# KiCad board coils_12_35_10_2_layer.kicad_pcb (continued)
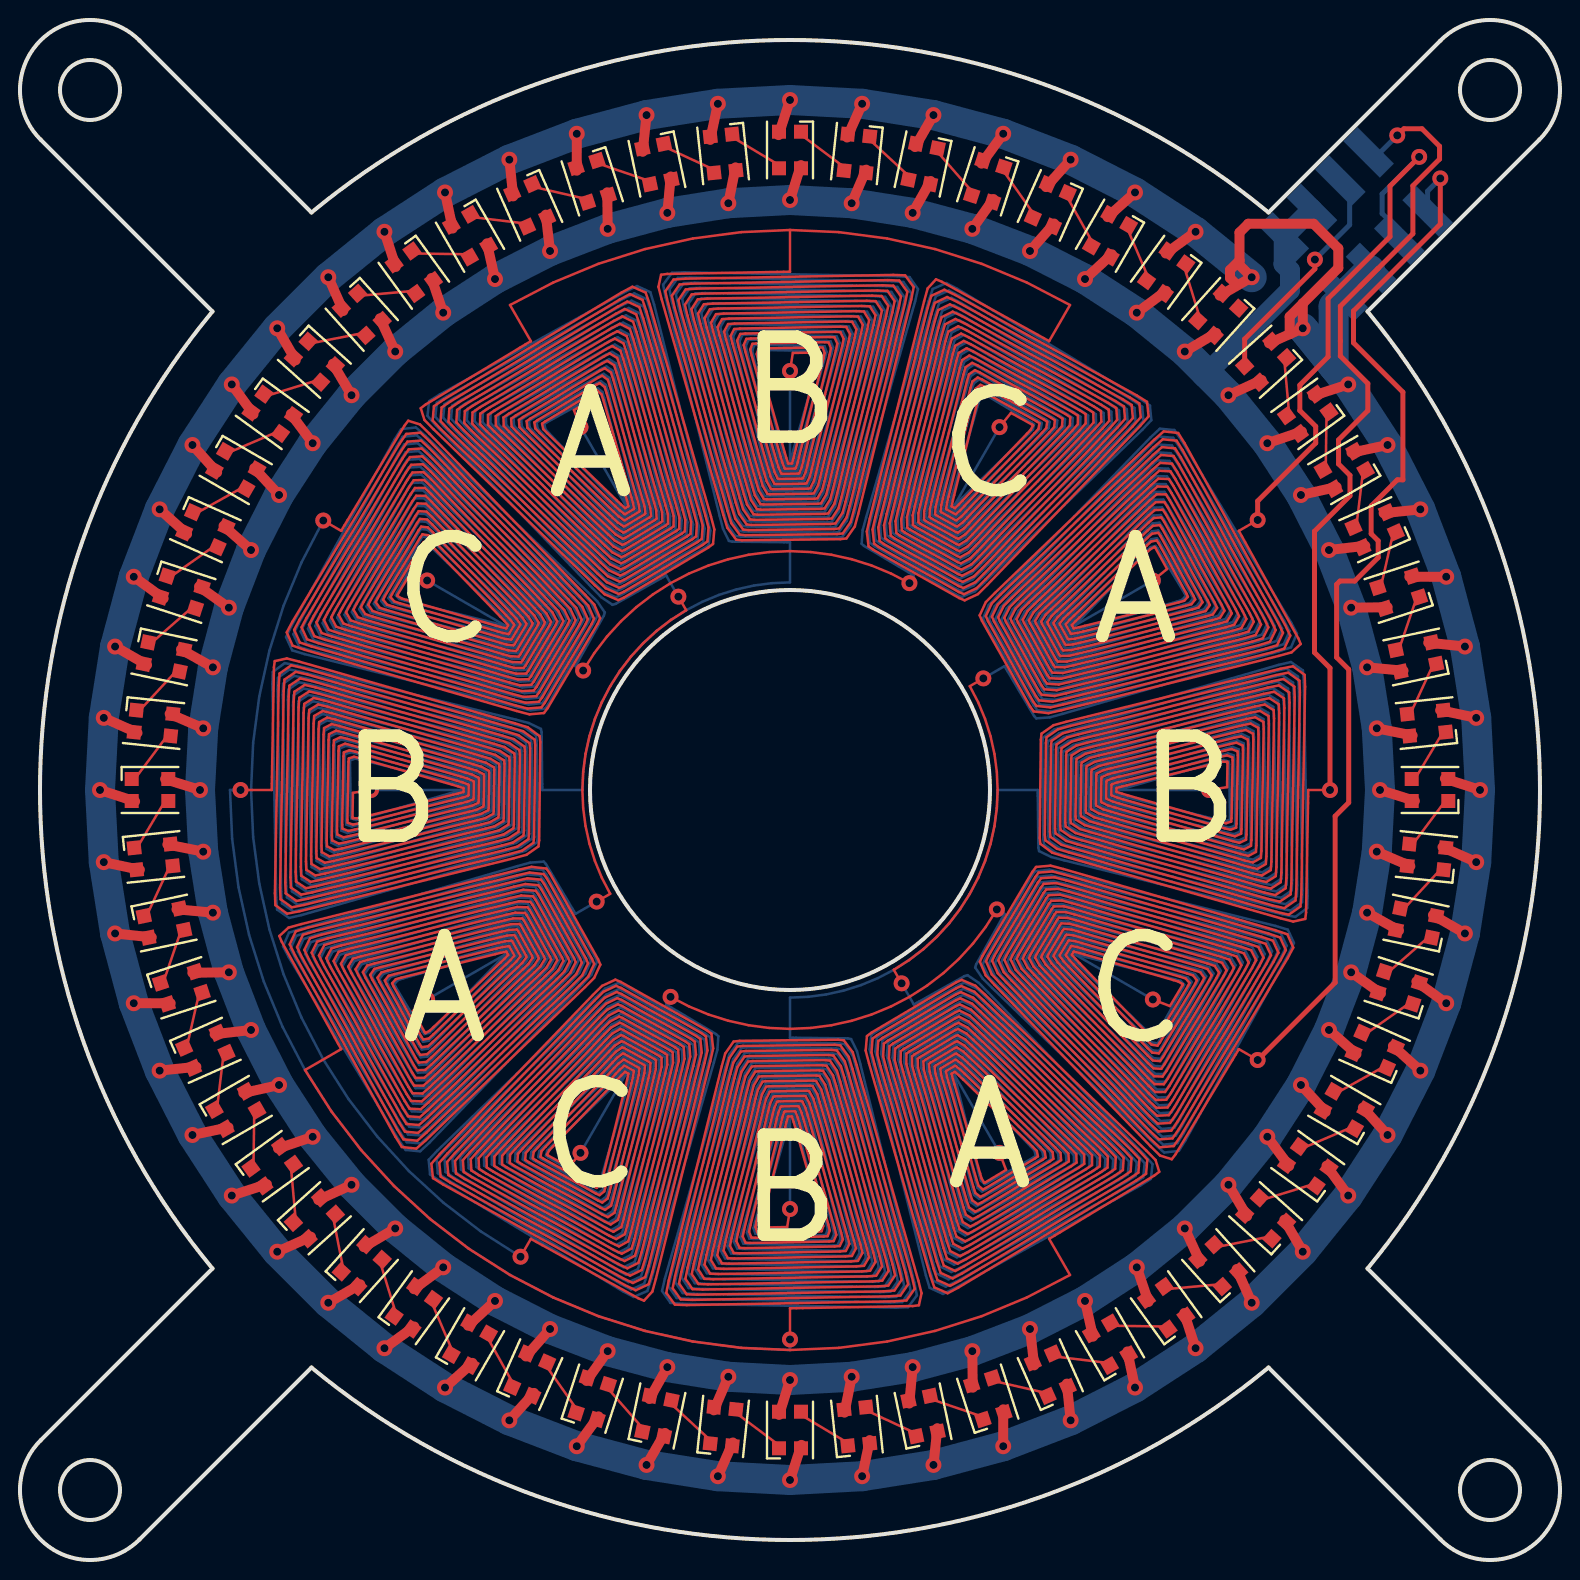
[diagram p0: board, top side]
## Routing (per net, layer and track width the routed paths; a pad name or vN(x,y) marks a point on that pad's centre or on a via; arc(x,y) is an arc through that point) (continued)
57.79,22.27 57.5,21.85 56.88,21.82 56.48,22.2 49.87,29.04 49.49,29.45 49.22,30 49.31,30.21 51.17,33.35 51.31,33.52 51.91,33.55 52.44,33.41 61.41,30.83 61.92,30.65 62.18,30.12 61.96,29.69 57.71,22.63 57.44,22.24 56.85,22.21 56.47,22.57 50.15,29.11 49.79,29.5 49.53,30.02 49.61,30.21 51.31,33.08 51.44,33.24 52.01,33.26 52.51,33.13 61.07,30.66 61.55,30.49 61.81,29.99 61.6,29.6 57.63,23 57.38,22.63 56.82,22.61 56.46,22.95 50.43,29.18 50.08,29.56 49.84,30.05 49.91,30.22 51.45,32.81 51.56,32.96 52.1,32.97 52.58,32.84 60.73,30.49 61.19,30.34 61.44,29.86 61.25,29.5 57.55,23.36 57.32,23.01 56.79,23 56.45,23.33 50.72,29.26 50.38,29.61 50.14,30.07 50.21,30.22 51.58,32.55 51.69,32.68 52.19,32.68 52.65,32.56 60.39,30.33 60.83,30.18 61.07,29.74 60.89,29.4 57.47,23.72 57.25,23.4 56.76,23.4 56.43,23.71 51,29.33 50.68,29.66 50.45,30.09 50.5,30.23 51.72,32.28 51.82,32.4 52.29,32.39 52.72,32.27 60.05,30.16 60.47,30.02 60.7,29.61 60.54,29.3 57.39,24.08 57.19,23.79 56.73,23.79 56.42,24.09 51.28,29.4 50.98,29.72 50.76,30.11 50.8,30.23 51.86,32.01 51.94,32.11 52.38,32.1 52.79,31.99 59.71,29.99 60.1,29.86 60.33,29.49 60.18,29.2 57.31,24.44 57.13,24.17 56.7,24.19 56.41,24.47 51.56,29.47 51.28,29.77 51.06,30.13 51.1,30.24 52,31.75 52.07,31.83 52.48,31.81 52.86,31.71 59.37,29.83 59.74,29.7 59.96,29.36 59.82,29.1 57.23,24.8 57.07,24.56 56.67,24.58 56.4,24.84 51.85,29.55 51.58,29.83 51.37,30.16 51.4,30.24 52.13,31.48 52.19,31.55 52.57,31.52 52.93,31.42 59.03,29.66 59.38,29.55 59.59,29.24 59.47,29 57.15,25.16 57,24.94 56.64,24.98 56.38,25.22 52.13,29.62 51.88,29.88 51.68,30.18 51.7,30.25 52.27,31.21 52.32,31.27 52.67,31.23 53,31.14 58.69,29.5 59.01,29.39 59.22,29.11 59.11,28.91 57.07,25.52 56.94,25.33 56.61,25.37 56.37,25.6 52.41,29.69 52.18,29.94 51.98,30.2 52,30.25 52.41,30.95 52.45,30.98 52.76,30.94 53.07,30.85 58.35,29.33 58.65,29.23 58.84,28.98 58.76,28.81 56.99,25.88 56.88,25.72 56.58,25.77 56.36,25.98 52.69,29.77 52.48,29.99 52.29,30.22 52.29,30.26 52.54,30.68 52.57,30.7 52.86,30.65 53.14,30.57 58.01,29.16 58.29,29.07 58.47,28.86 58.4,28.71 56.91,26.24 56.82,26.1 56.55,26.16 56.34,26.36 52.98,29.84 52.78,30.04 52.6,30.25 52.59,30.27 52.68,30.42 52.7,30.42 52.95,30.36 53.21,30.28 57.67,29 57.92,28.92 58.14,28.79 58.12,28.73 57.5,27.7 v1(56.64,28.03) ; v1(38.5,17.55) 38.36,16.65 37.16,16.63 37.09,16.64 37.09,16.89 37.15,17.15 38.26,21.65 38.33,21.91 38.4,22.16 38.41,22.18 38.59,22.18 38.6,22.16 38.68,21.91 38.76,21.63 40.09,16.97 40.16,16.7 40.08,16.44 39.91,16.42 37.03,16.37 36.86,16.38 36.77,16.65 36.83,16.94 38.05,21.85 38.12,22.14 38.22,22.41 38.25,22.43 38.74,22.43 38.77,22.42 38.88,22.14 38.97,21.84 40.42,16.77 40.49,16.48 40.38,16.19 40.18,16.17 36.77,16.11 36.57,16.12 36.45,16.42 36.52,16.73 37.84,22.05 37.92,22.37 38.03,22.66 38.09,22.68 38.89,22.69 38.94,22.67 39.08,22.37 39.17,22.05 40.74,16.57 40.82,16.25 40.68,15.94 40.46,15.92 36.5,15.85 36.27,15.87 36.13,16.18 36.2,16.52 37.63,22.26 37.71,22.59 37.85,22.91 37.92,22.93 39.05,22.95 39.12,22.93 39.27,22.6 39.38,22.26 41.06,16.37 41.14,16.03 40.99,15.7 40.73,15.67 36.24,15.59 35.98,15.61 35.82,15.94 35.89,16.31 37.41,22.46 37.51,22.82 37.67,23.16 37.76,23.18 39.2,23.2 39.29,23.18 39.47,22.83 39.58,22.47 41.38,16.17 41.47,15.8 41.29,15.45 41,15.43 35.98,15.33 35.69,15.35 35.5,15.71 35.58,16.09 37.2,22.66 37.3,23.05 37.49,23.42 37.6,23.44 39.35,23.46 39.46,23.44 39.67,23.07 39.78,22.67 41.7,15.97 41.8,15.58 41.59,15.2 41.27,15.18 35.71,15.08 35.39,15.09 35.18,15.47 35.26,15.88 36.99,22.87 37.1,23.28 37.31,23.67 37.44,23.69 39.51,23.71 39.64,23.69 39.86,23.3 39.99,22.88 42.02,15.77 42.12,15.36 41.9,14.96 41.55,14.93 35.45,14.82 35.1,14.83 34.86,15.24 34.95,15.67 36.78,23.07 36.9,23.5 37.13,23.92 37.28,23.94 39.66,23.97 39.81,23.95 40.06,23.53 40.19,23.09 42.34,15.57 42.45,15.13 42.2,14.71 41.82,14.68 35.19,14.56 34.8,14.57 34.54,15 34.64,15.46 36.57,23.27 36.69,23.73 36.95,24.17 37.11,24.19 39.82,24.22 39.98,24.2 40.26,23.76 40.4,23.3 42.66,15.37 42.78,14.91 42.5,14.46 42.09,14.43 34.92,14.3 34.51,14.32 34.22,14.77 34.32,15.25 36.36,23.48 36.49,23.96 36.77,24.42 36.95,24.45 39.97,24.48 40.15,24.46 40.45,24 40.6,23.51 42.99,15.17 43.1,14.68 42.81,14.21 42.36,14.18 34.66,14.04 34.21,14.06 33.91,14.53 34.01,15.04 36.15,23.68 36.28,24.19 36.59,24.67 36.79,24.7 40.12,24.74 40.33,24.71 40.65,24.23 40.81,23.72 43.31,14.97 43.43,14.46 43.11,13.97 42.63,13.93 34.4,13.78 33.92,13.8 33.59,14.3 33.69,14.83 35.93,23.88 36.08,24.41 36.4,24.92 36.63,24.95 40.28,24.99 40.5,24.97 40.85,24.46 41.01,23.92 43.63,14.77 43.76,14.24 43.41,13.72 42.91,13.68 34.13,13.52 33.63,13.54 33.27,14.06 33.38,14.61 35.72,24.09 35.87,24.64 36.22,25.17 36.46,25.2 40.43,25.25 40.67,25.22 41.04,24.69 41.22,24.13 43.95,14.57 44.08,14.01 43.72,13.47 43.18,13.43 33.87,13.26 33.33,13.28 32.95,13.82 33.07,14.4 35.51,24.29 35.67,24.87 36.04,25.42 36.3,25.45 40.58,25.5 40.84,25.48 41.24,24.92 41.42,24.34 44.27,14.37 44.41,13.79 44.02,13.23 43.45,13.18 33.61,13.01 33.04,13.03 32.63,13.59 32.75,14.19 35.3,24.49 35.46,25.1 35.86,25.67 36.14,25.71 40.74,25.76 41.02,25.73 41.44,25.16 41.63,24.55 44.59,14.17 44.73,13.56 44.32,12.98 43.72,12.93 33.34,12.75 32.74,12.77 32.31,13.35 32.44,13.98 35.09,24.69 35.26,25.32 35.68,25.92 35.98,25.96 40.89,26.01 41.19,25.98 41.63,25.39 41.83,24.76 44.91,13.97 45.08,13.34 44.94,12.74 44.63,12.7 38.5,12.59 v1(38.5,11.03) ; v1(48.17,44.08) 47.49,43.69 47.91,42.89 48.25,42.05 48.53,41.19 48.72,40.3 48.84,39.4 48.88,38.5 48.84,37.6 48.72,36.7 48.53,35.81 48.25,34.95 47.91,34.11 47.49,33.31 47,32.55 46.45,31.83 45.84,31.16 45.17,30.55 44.45,30 43.69,29.51 v1(44.08,28.83) ; v1(65.5,38.5) 64.41,38.5 64.3,32.37 64.26,32.06 63.66,31.92 63.03,32.09 52.24,35.17 51.61,35.37 51.02,35.81 50.99,36.11 51.04,41.02 51.08,41.32 51.68,41.74 52.31,41.91 63.02,44.56 63.65,44.69 64.23,44.26 64.25,43.66 64.07,33.28 64.02,32.68 63.44,32.27 62.83,32.41 52.45,35.37 51.84,35.56 51.27,35.98 51.24,36.26 51.29,40.86 51.33,41.14 51.9,41.54 52.51,41.7 62.81,44.25 63.41,44.37 63.97,43.96 63.99,43.39 63.82,33.55 63.77,32.98 63.21,32.59 62.63,32.73 52.66,35.58 52.08,35.76 51.52,36.16 51.5,36.42 51.55,40.7 51.58,40.96 52.13,41.33 52.71,41.49 62.6,43.93 63.18,44.05 63.72,43.67 63.74,43.13 63.57,33.82 63.53,33.28 62.99,32.92 62.43,33.05 52.87,35.78 52.31,35.96 51.78,36.33 51.75,36.57 51.8,40.54 51.83,40.78 52.36,41.13 52.91,41.28 62.39,43.62 62.94,43.73 63.46,43.37 63.48,42.87 63.32,34.09 63.28,33.59 62.76,33.24 62.23,33.37 53.08,35.99 52.54,36.15 52.03,36.5 52.01,36.72 52.05,40.37 52.08,40.6 52.59,40.92 53.12,41.07 62.17,43.31 62.7,43.41 63.2,43.08 63.22,42.6 63.07,34.37 63.03,33.89 62.54,33.57 62.03,33.69 53.28,36.19 52.77,36.35 52.29,36.67 52.26,36.88 52.3,40.21 52.33,40.41 52.81,40.72 53.32,40.85 61.96,42.99 62.47,43.09 62.94,42.79 62.96,42.34 62.82,34.64 62.79,34.19 62.32,33.9 61.83,34.01 53.49,36.4 53,36.55 52.54,36.85 52.52,37.03 52.55,40.05 52.58,40.23 53.04,40.51 53.52,40.64 61.75,42.68 62.23,42.78 62.68,42.49 62.7,42.08 62.57,34.91 62.54,34.5 62.09,34.22 61.63,34.34 53.7,36.6 53.24,36.74 52.8,37.02 52.78,37.18 52.81,39.89 52.83,40.05 53.27,40.31 53.73,40.43 61.54,42.36 62,42.46 62.43,42.2 62.44,41.81 62.32,35.18 62.29,34.8 61.87,34.55 61.43,34.66 53.91,36.81 53.47,36.94 53.05,37.19 53.03,37.34 53.06,39.72 53.08,39.87 53.5,40.1 53.93,40.22 61.33,42.05 61.76,42.14 62.17,41.9 62.18,41.55 62.07,35.45 62.04,35.1 61.64,34.88 61.23,34.98 54.12,37.01 53.7,37.14 53.31,37.36 53.29,37.49 53.31,39.56 53.33,39.69 53.72,39.9 54.13,40.01 61.12,41.74 61.53,41.82 61.91,41.61 61.92,41.29 61.82,35.73 61.8,35.41 61.42,35.2 61.03,35.3 54.33,37.22 53.93,37.33 53.56,37.54 53.54,37.65 53.56,39.4 53.58,39.51 53.95,39.7 54.34,39.8 60.91,41.42 61.29,41.5 61.65,41.31 61.67,41.02 61.57,36 61.55,35.71 61.2,35.53 60.83,35.62 54.53,37.42 54.17,37.53 53.82,37.71 53.8,37.8 53.82,39.24 53.84,39.33 54.18,39.49 54.54,39.59 60.69,41.11 61.06,41.18 61.39,41.02 61.41,40.76 61.33,36.27 61.3,36.01 60.97,35.86 60.63,35.94 54.74,37.62 54.4,37.73 54.07,37.88 54.05,37.95 54.07,39.08 54.09,39.15 54.41,39.29 54.74,39.37 60.48,40.8 60.82,40.87 61.13,40.73 61.15,40.5 61.08,36.54 61.06,36.32 60.75,36.18 60.43,36.26 54.95,37.83 54.63,37.92 54.33,38.06 54.31,38.11 54.32,38.91 54.34,38.97 54.63,39.08 54.95,39.16 60.27,40.48 60.58,40.55 60.88,40.43 60.89,40.23 60.83,36.82 60.81,36.62 60.52,36.51 60.23,36.58 55.16,38.03 54.86,38.12 54.58,38.23 54.57,38.26 54.57,38.75 54.59,38.78 54.86,38.88 55.15,38.95 60.06,40.17 60.35,40.23 60.62,40.14 60.63,39.97 60.58,37.09 60.56,36.92 60.3,36.84 60.03,36.91 55.37,38.24 55.09,38.32 54.84,38.4 54.82,38.41 54.82,38.59 54.84,38.6 55.09,38.67 55.35,38.74 59.85,39.85 60.11,39.91 60.36,39.91 60.37,39.84 60.35,38.64 v1(59.45,38.5) ; v1(17.55,38.5) 16.65,38.36 16.63,37.16 16.64,37.09 16.89,37.09 17.15,37.15 21.65,38.26 21.91,38.33 22.16,38.4 22.18,38.41 22.18,38.59 22.16,38.6 21.91,38.68 21.63,38.76 16.97,40.09 16.7,40.16 16.44,40.08 16.42,39.91 16.37,37.03 16.38,36.86 16.65,36.77 16.94,36.83 21.85,38.05 22.14,38.12 22.41,38.22 22.43,38.25 22.43,38.74 22.42,38.77 22.14,38.88 21.84,38.97 16.77,40.42 16.48,40.49 16.19,40.38 16.17,40.18 16.11,36.77 16.12,36.57 16.42,36.45 16.73,36.52 22.05,37.84 22.37,37.92 22.66,38.03 22.68,38.09 22.69,38.89 22.67,38.94 22.37,39.08 22.05,39.17 16.57,40.74 16.25,40.82 15.94,40.68 15.92,40.46 15.85,36.5 15.87,36.27 16.18,36.13 16.52,36.2 22.26,37.63 22.59,37.71 22.91,37.85 22.93,37.92 22.95,39.05 22.93,39.12 22.6,39.27 22.26,39.38 16.37,41.06 16.03,41.14 15.7,40.99 15.67,40.73 15.59,36.24 15.61,35.98 15.94,35.82 16.31,35.89 22.46,37.41 22.82,37.51 23.16,37.67 23.18,37.76 23.2,39.2 23.18,39.29 22.83,39.47 22.47,39.58 16.17,41.38 15.8,41.47 15.45,41.29 15.43,41 15.33,35.98 15.35,35.69 15.71,35.5 16.09,35.58 22.66,37.2 23.05,37.3 23.42,37.49 23.44,37.6 23.46,39.35 23.44,39.46 23.07,39.67 22.67,39.78 15.97,41.7 15.58,41.8 15.2,41.59 15.18,41.27 15.08,35.71 15.09,35.39 15.47,35.18 15.88,35.26 22.87,36.99 23.28,37.1 23.67,37.31 23.69,37.44 23.71,39.51 23.69,39.64 23.3,39.86 22.88,39.99 15.77,42.02 15.36,42.12 14.96,41.9 14.93,41.55 14.82,35.45 14.83,35.1 15.24,34.86 15.67,34.95 23.07,36.78 23.5,36.9 23.92,37.13 23.94,37.28 23.97,39.66 23.95,39.81 23.53,40.06 23.09,40.19 15.57,42.34 15.13,42.45 14.71,42.2 14.68,41.82 14.56,35.19 14.57,34.8 15,34.54 15.46,34.64 23.27,36.57 23.73,36.69 24.17,36.95 24.19,37.11 24.22,39.82 24.2,39.98 23.76,40.26 23.3,40.4 15.37,42.66 14.91,42.78 14.46,42.5 14.43,42.09 14.3,34.92 14.32,34.51 14.77,34.22 15.25,34.32 23.48,36.36 23.96,36.49 24.42,36.77 24.45,36.95 24.48,39.97 24.46,40.15 24,40.45 23.51,40.6 15.17,42.99 14.68,43.1 14.21,42.81 14.18,42.36 14.04,34.66 14.06,34.21 14.53,33.91 15.04,34.01 23.68,36.15 24.19,36.28 24.67,36.59 24.7,36.79 24.74,40.12 24.71,40.33 24.23,40.65 23.72,40.81 14.97,43.31 14.46,43.43 13.97,43.11 13.93,42.63 13.78,34.4 13.8,33.92 14.3,33.59 14.83,33.69 23.88,35.93 24.41,36.08 24.92,36.4 24.95,36.63 24.99,40.28 24.97,40.5 24.46,40.85 23.92,41.01 14.77,43.63 14.24,43.76 13.72,43.41 13.68,42.91 13.52,34.13 13.54,33.63 14.06,33.27 14.61,33.38 24.09,35.72 24.64,35.87 25.17,36.22 25.2,36.46 25.25,40.43 25.22,40.67 24.69,41.04 24.13,41.22 14.57,43.95 14.01,44.08 13.47,43.72 13.43,43.18 13.26,33.87 13.28,33.33 13.82,32.95 14.4,33.07 24.29,35.51 24.87,35.67 25.42,36.04 25.45,36.3 25.5,40.58 25.48,40.84 24.92,41.24 24.34,41.42 14.37,44.27 13.79,44.41 13.23,44.02 13.18,43.45 13.01,33.61 13.03,33.04 13.59,32.63 14.19,32.75 24.49,35.3 25.1,35.46 25.67,35.86 25.71,36.14 25.76,40.74 25.73,41.02 25.16,41.44 24.55,41.63 14.17,44.59 13.56,44.73 12.98,44.32 12.93,43.72 12.75,33.34 12.77,32.74 13.35,32.31 13.98,32.44 24.69,35.09 25.32,35.26 25.92,35.68 25.96,35.98 26.01,40.89 25.98,41.19 25.39,41.63 24.76,41.83 13.97,44.91 13.34,45.08 12.74,44.94 12.7,44.63 12.59,38.5 v1(11.03,38.5) ; v1(48.98,20.36) 49.3,19.5 48.27,18.88 48.21,18.86 48.08,19.08 48,19.33 46.72,23.79 46.64,24.05 46.58,24.3 46.58,24.32 46.73,24.41 46.75,24.4 46.96,24.22 47.16,24.02 50.64,20.66 50.84,20.45 50.9,20.18 50.76,20.09 48.29,18.6 48.14,18.53 47.93,18.71 47.84,18.99 46.43,23.86 46.35,24.14 46.3,24.43 46.32,24.46 46.74,24.71 46.78,24.71 47.01,24.52 47.23,24.31 51.02,20.64 51.23,20.42 51.28,20.12 51.12,20.01 48.19,18.24 48.02,18.16 47.77,18.35 47.67,18.65 46.15,23.93 46.06,24.24 46.02,24.55 46.05,24.59 46.75,25 46.8,25.02 47.06,24.82 47.31,24.59 51.4,20.63 51.63,20.39 51.67,20.06 51.48,19.93 48.09,17.89 47.89,17.78 47.61,17.99 47.5,18.31 45.86,24 45.77,24.33 45.73,24.68 45.79,24.73 46.75,25.3 46.82,25.32 47.12,25.12 47.38,24.87 51.78,20.62 52.02,20.36 52.06,20 51.84,19.85 48,17.53 47.76,17.41 47.45,17.62 47.34,17.97 45.58,24.07 45.48,24.43 45.45,24.81 45.52,24.87 46.76,25.6 46.84,25.63 47.17,25.42 47.45,25.15 52.16,20.6 52.42,20.33 52.44,19.93 52.2,19.77 47.9,17.18 47.64,17.04 47.3,17.26 47.17,17.63 45.29,24.14 45.19,24.52 45.17,24.93 45.25,25 46.76,25.9 46.87,25.94 47.23,25.72 47.53,25.44 52.53,20.59 52.81,20.3 52.83,19.87 52.56,19.69 47.8,16.82 47.51,16.67 47.14,16.9 47.01,17.29 45.01,24.21 44.9,24.62 44.89,25.06 44.99,25.14 46.77,26.2 46.89,26.24 47.28,26.02 47.6,25.72 52.91,20.58 53.21,20.27 53.21,19.81 52.92,19.61 47.7,16.46 47.39,16.3 46.98,16.53 46.84,16.95 44.73,24.28 44.61,24.71 44.6,25.18 44.72,25.28 46.77,26.5 46.91,26.55 47.34,26.32 47.67,26 53.29,20.57 53.6,20.24 53.6,19.75 53.28,19.53 47.6,16.11 47.26,15.93 46.82,16.17 46.67,16.61 44.44,24.35 44.32,24.81 44.32,25.31 44.45,25.42 46.78,26.79 46.93,26.86 47.39,26.62 47.74,26.28 53.67,20.55 54,20.21 53.99,19.68 53.64,19.45 47.5,15.75 47.14,15.56 46.66,15.81 46.51,16.27 44.16,24.42 44.03,24.9 44.04,25.44 44.19,25.55 46.78,27.09 46.95,27.16 47.44,26.92 47.82,26.57 54.05,20.54 54.39,20.18 54.37,19.62 54,19.37 47.4,15.4 47.01,15.19 46.51,15.45 46.34,15.93 43.87,24.49 43.74,24.99 43.76,25.56 43.92,25.69 46.79,27.39 46.98,27.47 47.5,27.21 47.89,26.85 54.43,20.53 54.79,20.15 54.76,19.56 54.37,19.29 47.31,15.04 46.88,14.82 46.35,15.08 46.17,15.59 43.59,24.56 43.45,25.09 43.48,25.69 43.65,25.83 46.79,27.69 47,27.78 47.55,27.51 47.96,27.13 54.8,20.52 55.18,20.12 55.15,19.5 54.73,19.21 47.21,14.69 46.76,14.45 46.19,14.72 46.01,15.25 43.3,24.63 43.15,25.18 43.19,25.82 43.39,25.97 46.8,27.99 47.02,28.09 47.61,27.81 48.04,27.41 55.18,20.5 55.58,20.08 55.53,19.43 55.09,19.13 47.11,14.33 46.63,14.08 46.03,14.36 45.84,14.91 43.02,24.7 42.86,25.28 42.91,25.94 43.12,26.1 46.8,28.29 47.04,28.39 47.66,28.11 48.11,27.7 55.56,20.49 55.97,20.05 55.92,19.37 55.45,19.05 47.01,13.97 46.51,13.71 45.87,13.99 45.68,14.57 42.73,24.77 42.57,25.37 42.63,26.07 42.85,26.24 46.81,28.58 47.06,28.7 47.72,28.41 48.18,27.98 55.94,20.48 56.37,20.02 56.3,19.31 55.81,18.97 46.91,13.62 46.38,13.34 45.72,13.63 45.51,14.23 42.45,24.84 42.28,25.47 42.35,26.2 42.59,26.38 46.81,28.88 47.09,29.01 47.77,28.71 48.26,28.26 56.32,20.47 56.78,20 56.96,19.41 56.71,19.22 51.46,16.06 52.5,14.25 50.33,13.12 48.08,12.19 45.75,11.45 43.36,10.93 40.94,10.61 38.5,10.5 36.06,10.61 33.64,10.93 31.25,11.45 28.92,12.19 26.67,13.12 24.5,14.25 22.44,15.56 20.5,17.05 18.7,18.7 17.05,20.5 15.56,22.44 14.25,24.5 16.06,25.54 13.09,30.91 12.97,31.2 13.42,31.62 14.05,31.79 24.93,34.51 25.58,34.66 26.32,34.57 26.49,34.33 28.9,30.04 29.02,29.77 28.71,29.11 28.25,28.64 20.3,20.99 19.81,20.57 19.09,20.65 18.77,21.16 13.75,30.24 13.49,30.78 13.79,31.43 14.39,31.61 24.85,34.23 25.48,34.37 26.18,34.29 26.35,34.07 28.6,30.06 28.71,29.8 28.41,29.17 27.97,28.73 20.32,21.37 19.86,20.96 19.17,21.03 18.87,21.52 14.1,30.13 13.85,30.64 14.15,31.26 14.72,31.44 24.78,33.95 25.37,34.09 26.05,34.02 26.2,33.81 28.3,30.07 28.4,29.83 28.11,29.23 27.69,28.81 20.35,21.75 19.9,21.36 19.25,21.42 18.96,21.87 14.45,30.02 14.22,30.5 14.5,31.09 15.05,31.26 24.7,33.67 25.27,33.8 25.91,33.74 26.06,33.55 28,30.09 28.09,29.86 27.81,29.3 27.4,28.89 20.37,22.12 19.95,21.75 19.32,21.8 19.05,22.23 14.8,29.91 14.58,30.36 14.86,30.92 15.39,31.08 24.62,33.39 25.17,33.51 25.78,33.46 25.91,33.28 27.7,30.1 27.79,29.9 27.51,29.36 27.12,28.97 20.4,22.5 19.99,22.14 19.4,22.18 19.14,22.59 15.16,29.8 14.95,30.23 15.22,30.75 15.72,30.9 24.54,33.11 25.06,33.23 25.65,33.19 25.77,33.02 27.4,30.12 27.48,29.93 27.21,29.42 26.84,29.05 20.43,22.88 20.04,22.54 19.48,22.57 19.24,22.94 15.51,29.69 15.31,30.09 15.57,30.58 16.06,30.72 24.46,32.82 24.96,32.94 25.51,32.91 25.62,32.76 27.1,30.13 27.17,29.96 26.91,29.49 26.56,29.13 20.45,23.26 20.08,22.93 19.55,22.95 19.33,23.3 15.86,29.57 15.68,29.95 15.93,30.41 16.39,30.54 24.39,32.54 24.86,32.65 25.38,32.63 25.48,32.5 26.8,30.15 26.86,29.99 26.61,29.55 26.28,29.21 20.48,23.63 20.13,23.32 19.63,23.34 19.42,23.66 16.21,29.46 16.05,29.81 16.29,30.24 16.72,30.37 24.31,32.26 24.76,32.37 25.24,32.36 25.33,32.24 26.5,30.16 26.56,30.02 26.32,29.61 26,29.3 20.51,24.01 20.17,23.72 19.7,23.72 19.51,24.02 16.56,29.35 16.41,29.67 16.65,30.07 17.06,30.19 24.23,31.98 24.65,32.08 25.11,32.08 25.19,31.98 26.2,30.17 26.25,30.05 26.02,29.68 25.72,29.38 20.53,24.39 20.22,24.11 19.78,24.1 19.61,24.37 16.91,29.24 16.78,29.53 17,29.89 17.39,30.01 24.15,31.7 24.55,31.79 24.97,31.8 25.05,31.72 25.9,30.19 25.94,30.08 25.72,29.74 25.43,29.46 20.56,24.77 20.26,24.5 19.86,24.49 19.7,24.73 17.27,29.13 17.14,29.39 17.36,29.72 17.73,29.83 24.07,31.42 24.45,31.51 24.84,31.53 24.9,31.46 25.61,30.2 25.63,30.12 25.42,29.8 25.15,29.54 20.58,25.14 20.31,24.9 19.93,24.87 19.79,25.09 17.62,29.02 17.51,29.25 17.72,29.55 18.06,29.65 24,31.14 24.35,31.22 24.71,31.25 24.76,31.2 25.31,30.22 25.33,30.15 25.12,29.87 24.87,29.62 20.61,25.52 20.35,25.29 20.01,25.26 19.88,25.45 17.97,28.91 17.87,29.11 18.08,29.38 18.39,29.47 23.92,30.86 24.24,30.93 24.57,30.97 24.61,30.93 25.01,30.23 25.02,30.18 24.82,29.93 24.59,29.7 20.64,25.9 20.4,25.68 20.09,25.64 19.98,25.8 18.32,28.79 18.24,28.97 18.43,29.21 18.73,29.3 23.84,30.57 24.14,30.65 24.44,30.69 24.47,30.67 24.71,30.25 24.71,30.21 24.52,29.99 24.31,29.78 20.66,26.28 20.44,26.08 20.16,26.02 20.07,26.16 18.67,28.68 18.61,28.84 18.79,29.04 19.06,29.12 23.76,30.29 24.04,30.36 24.3,30.42 24.32,30.41 24.41,30.26 24.4,30.24 24.22,30.06 24.03,29.87 20.69,26.65 20.49,26.47 20.27,26.35 20.23,26.4 19.65,27.45 v1(20.36,28.03)